# Altium PCB TSAV UPDATED UCM ISO.PcbDoc (part 1 of 2) (continued)
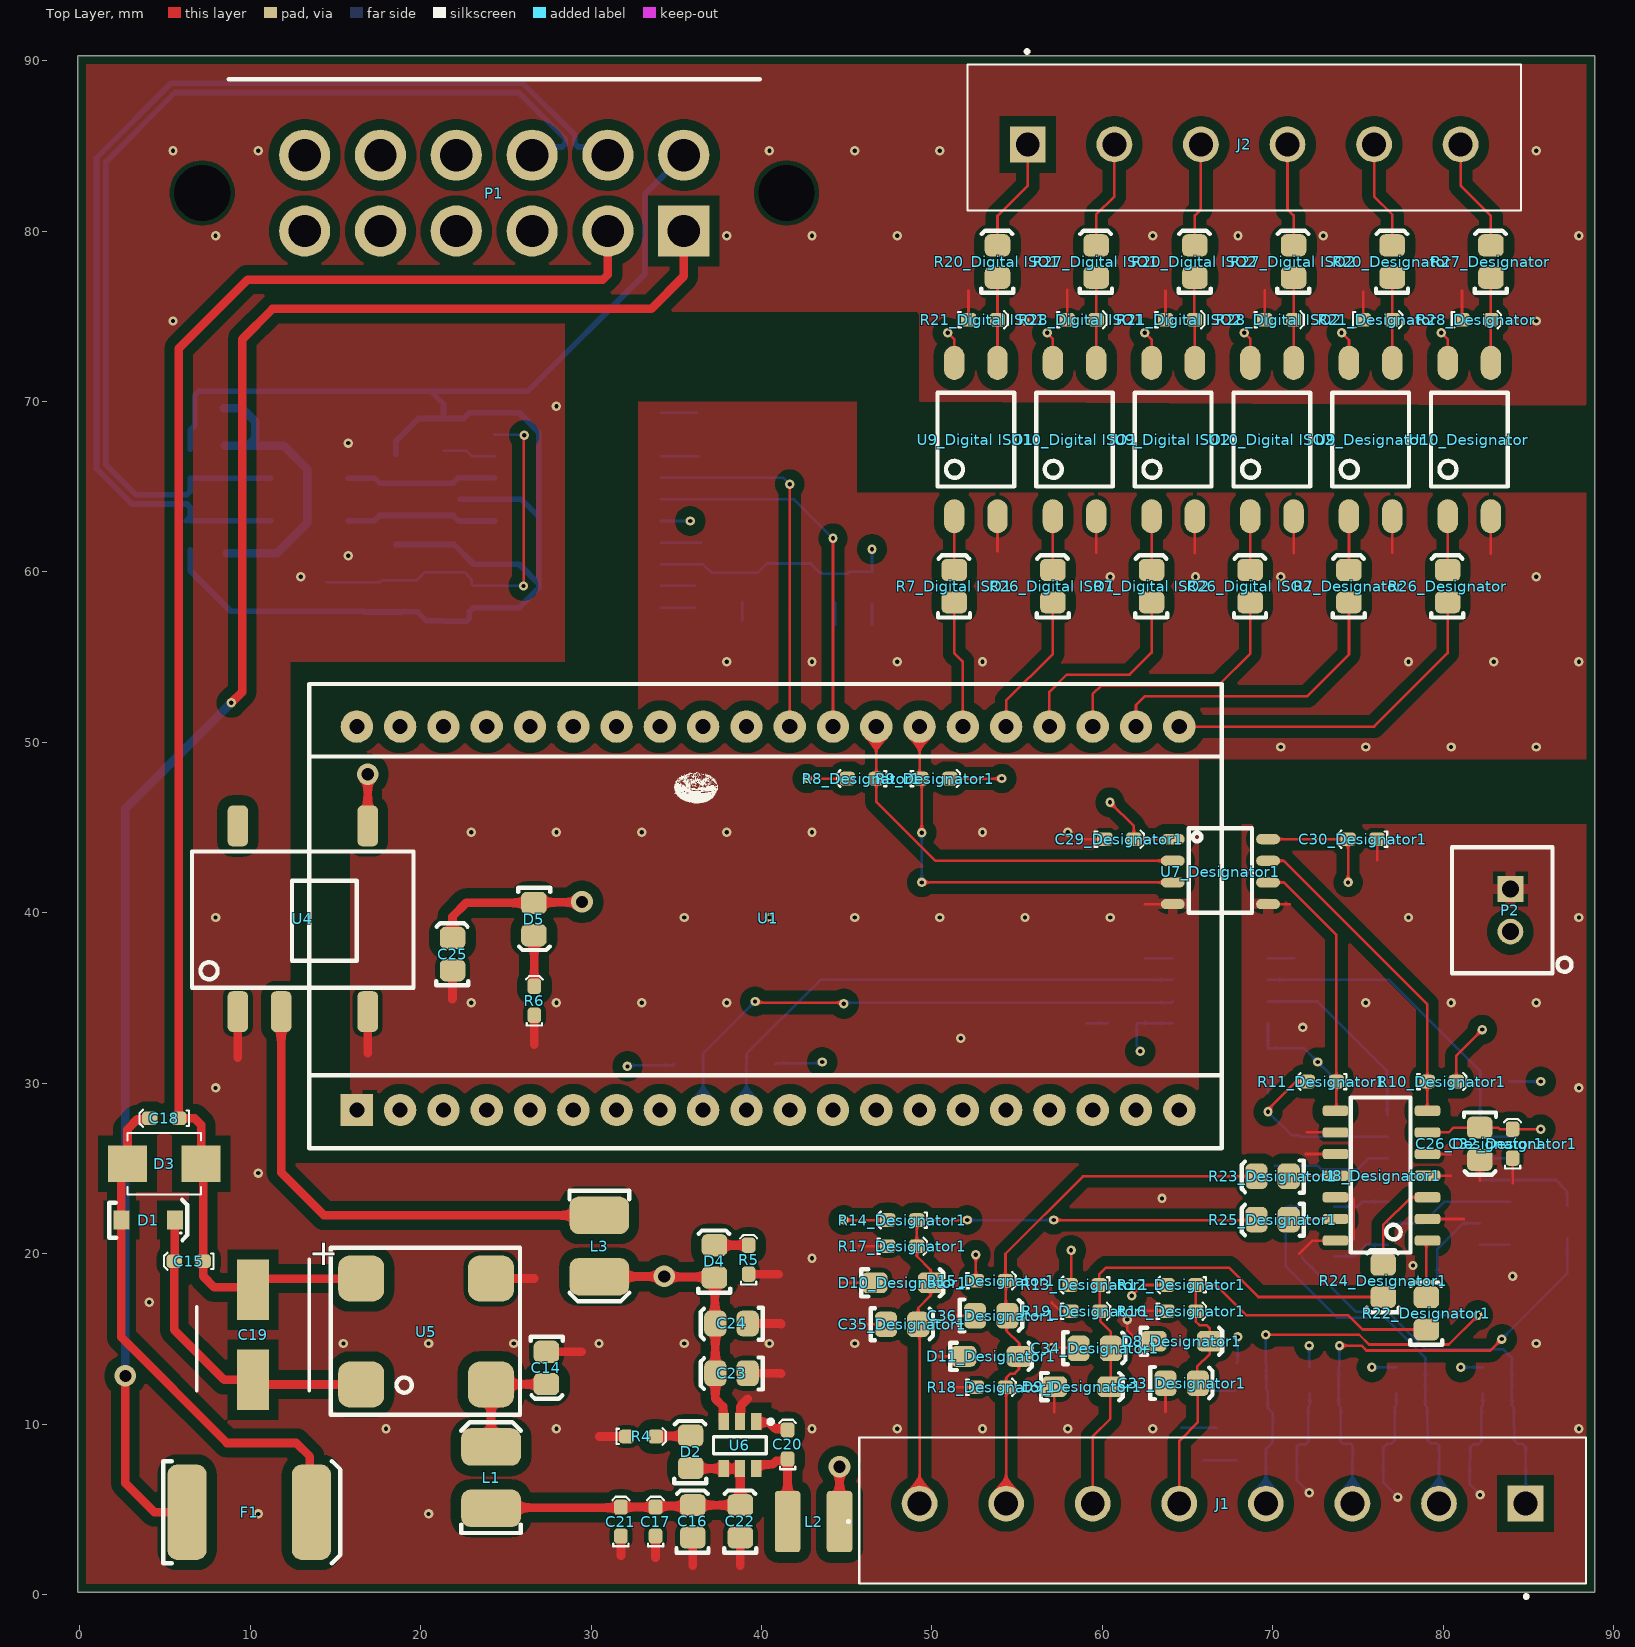
[diagram p0: Top Layer view]
## Classes and differential pairs
component class "Digital ISO2": "R7_Digital ISO2" "R20_Digital ISO2" "R21_Digital ISO2" "R26_Digital ISO2" "R27_Digital ISO2" "R28_Digital ISO2" "U9_Digital ISO2" "U10_Digital ISO2"
channel class "Digital ISO": Designator "Digital ISO1" "Digital ISO2"
channel class "ADC Chip And ISO": Designator1 Designator2
component class U_CAN: C1 C2 C3 C4 C5 C6 C7 C8 C9 C10 C11 C12 C13 D6 R1 R2 R3 U2 U3
component class "toplayer UCM updated": J1 J2 P1 P2 U1
component class "Power supply": C14 C15 C16 C17 C18 C19 C20 C21 C22 C23 C24 C25 D1 D2 D3 D4 D5 F1 L1 L2 L3 R4 R5 R6 U4 U5 U6
component class "Digital ISO1": "R7_Digital ISO1" "R20_Digital ISO1" "R21_Digital ISO1" "R26_Digital ISO1" "R27_Digital ISO1" "R28_Digital ISO1" "U9_Digital ISO1" "U10_Digital ISO1"
component class Designator: R7_Designator R20_Designator R21_Designator R26_Designator R27_Designator R28_Designator U9_Designator U10_Designator
component class Designator2: C26_Designator2 C29_Designator2 C30_Designator2 C32_Designator2 C33_Designator2 C34_Designator2 C35_Designator2 C36_Designator2 D8_Designator2 D9_Designator2 D10_Designator2 D11_Designator2 R8_Designator2 R9_Designator2 R10_Designator2 R11_Designator2 R12_Designator2 R13_Designator2 R14_Designator2 R15_Designator2 R16_Designator2 R17_Designator2 R18_Designator2 R19_Designator2 R22_Designator2 R23_Designator2 R24_Designator2 R25_Designator2 U7_Designator2 U8_Designator2
component class Designator1: C26_Designator1 C29_Designator1 C30_Designator1 C32_Designator1 C33_Designator1 C34_Designator1 C35_Designator1 C36_Designator1 D8_Designator1 D9_Designator1 D10_Designator1 D11_Designator1 R8_Designator1 R9_Designator1 R10_Designator1 R11_Designator1 R12_Designator1 R13_Designator1 R14_Designator1 R15_Designator1 R16_Designator1 R17_Designator1 R18_Designator1 R19_Designator1 R22_Designator1 R23_Designator1 R24_Designator1 R25_Designator1 U7_Designator1 U8_Designator1
differential pair CAN: +CAN_P -CAN_N

## Components (designator, comment, footprint, x,y, rotation, side; value= is the part's Value field where it differs from the comment)
C1 "100nF" 0603 14.478,57.697 r90 bottom
C2 "10nF" CAPC3216X95N 41.656,59.055 r90 bottom
C3 "10uF" 0805 46.503,59.079 r90 bottom
C4 "100nF" 0603 44.323,58.205 r90 bottom
C5 "10nF" CAPC3216X95N 21.463,58.547 r90 bottom
C6 "10uF" 0805 18.796,58.571 r90 bottom
C7 "100nF" 0603 16.637,57.697 r90 bottom
C8 "100nF" 0603 38.862,58.244 r90 bottom
C9 "100pF" 0603 6.477,67.212 r270 bottom
C10 "100pF" 0603 6.477,61.312 r90 bottom
C11 "100pF" 0603 18.542,66.912 r270 bottom
C12 "100pF" 0603 18.542,61.612 r90 bottom
C13 "22pF" 0603 6.731,69.596 r0 bottom
C14 "10uF" 0805 27.406,13.281 r270 top
C15 "100nF" 0603 7.239,19.558 r180 top
C16 "10uF" 0805 35.941,4.303 r90 top
C17 "100nF" 0603 33.782,3.429 r90 top
C18 "100nF" 0603 5.803,27.94 r180 top
C19 "47uF" "CHEMI-CON ELCO" 10.16,15.24 r270 top
C20 "100nF" 0603 41.529,7.952 r90 top
C21 "100nF" 0603 31.75,3.429 r90 top
C22 "2.2uF" 0805 38.735,4.303 r90 top value=22uF
C23 "10uF" 0805 38.227,12.954 r180 top
C24 "10uF" 0805 38.227,15.875 r180 top
C25 "10uF" 0805 21.844,37.592 r90 top
C26_Designator1 "10uF" 0805 82.169,26.431 r270 top (schematic designator C26)
C26_Designator2 "10uF" 0805 73.787,25.899 r270 bottom (schematic designator C26)
C29_Designator1 "100nF" 0603 60.149,44.323 r0 top (schematic designator C29)
C29_Designator2 "100nF" 0603 60.325,33.528 r0 bottom (schematic designator C29)
C30_Designator1 "100nF" 0603 76.122,44.323 r180 top (schematic designator C30)
C30_Designator2 "100nF" 0603 69.723,30.353 r90 bottom (schematic designator C30)
C32_Designator1 "100nF" 0603 84.074,25.605 r90 top (schematic designator C32)
C32_Designator2 "100nF" 0603 71.628,25.161 r90 bottom (schematic designator C32)
C33_Designator1 "10uF" 0805 64.667,12.418 r0 top (schematic designator C33)
C33_Designator2 "10uF" 0805 83.209,9.906 r0 bottom (schematic designator C33)
C34_Designator1 "10uF" 0805 59.563,14.462 r0 top (schematic designator C34)
C34_Designator2 "10uF" 0805 78.129,9.906 r0 bottom (schematic designator C34)
C35_Designator1 "10uF" 0805 48.26,15.875 r0 top (schematic designator C35)
C35_Designator2 "10uF" 0805 68.77,11.922 r0 bottom (schematic designator C35)
C36_Designator1 "10uF" 0805 53.491,16.383 r0 top (schematic designator C36)
C36_Designator2 "10uF" 0805 73.049,9.906 r0 bottom (schematic designator C36)
D1 "PMEG100T10ELR-QX" SODFL350X110-2N 4.013,21.971 r180 top
D2 "Red" "0805 LED" 35.814,8.382 r90 top
D3 "SM6T39CAY" SM6T39CAY-Footprint-1 4.953,25.273 r180 top
D4 "Red" "0805 LED" 37.211,19.558 r90 top
D5 "Red" "0805 LED" 26.67,39.624 r270 top
D6 "NUP2105LT1G" ONSC-SOT-23-3-318-08_V 21.336,64.262 r0 bottom
D8_Designator1 "MMSZ5231B-TP" "SOD-123 Diode" 64.643,14.859 r0 top (schematic designator D8)
D8_Designator2 "MMSZ5231B-TP" "SOD-123 Diode" 83.185,7.874 r0 bottom (schematic designator D8)
D9_Designator1 "MMSZ5231B-TP" "SOD-123 Diode" 58.801,12.192 r0 top (schematic designator D9)
D9_Designator2 "MMSZ5231B-TP" "SOD-123 Diode" 78.105,7.874 r0 bottom (schematic designator D9)
D10_Designator1 "MMSZ5231B-TP" "SOD-123 Diode" 48.26,18.288 r0 top (schematic designator D10)
D10_Designator2 "MMSZ5231B-TP" "SOD-123 Diode" 68.326,9.779 r0 bottom (schematic designator D10)
D11_Designator1 "MMSZ5231B-TP" "SOD-123 Diode" 53.467,13.97 r0 top (schematic designator D11)
D11_Designator2 "MMSZ5231B-TP" "SOD-123 Diode" 73.025,7.874 r0 bottom (schematic designator D11)
F1 "0ZCF0100AF2A" 2920 6.289,4.826 r0 top
J1 "1755794" PHOENIX_1755794 88.376,9.204 r180 top
J2 "1755778" PHOENIX_1755778 52.086,81.22 r0 top
L1 "12uH" 1812 24.13,6.858 r90 top
L2 "4.7uH" SRN3015TA-4R7M 43.053,4.279 r180 top
L3 "12uH" 1812 30.48,20.447 r270 top
P1 "DTF13-12P" DTF13-12P 24.324,84.46 r180 top
P2 "B2B-XH-A(LF)(SN)" "XH 2 PIN VERT" 83.82,40.152 r270 top
R1 "100k" 0805 21.336,68.048 r270 bottom
R2 "56R" 0805 8.483,66.45 r270 bottom
R3 "56R" 0805 8.636,62.074 r90 bottom
R4 "20K" 0603 32.082,9.271 r0 top
R5 "2K" 0603 39.243,18.796 r90 top
R6 "1k" 0603 26.67,33.987 r90 top
R7_Designator "100R" 0805 74.447,59.182 r90 top (schematic designator R7)
"R7_Digital ISO1" "100R" 0805 51.282,59.182 r90 top (schematic designator R7)
"R7_Digital ISO2" "100R" 0805 62.864,59.182 r90 top (schematic designator R7)
R8_Designator1 "10k" 0603 46.736,47.879 r180 top (schematic designator R8)
R8_Designator2 "10k" 0603 36.576,31.115 r180 bottom (schematic designator R8)
R9_Designator1 "10k" 0603 49.354,47.879 r0 top (schematic designator R9)
R9_Designator2 "10k" 0603 39.116,31.115 r0 bottom (schematic designator R9)
R10_Designator1 "10k" 0603 79.072,30.099 r0 top (schematic designator R10)
R10_Designator2 "10k" 0603 76.708,30.099 r180 bottom (schematic designator R10)
R11_Designator1 "10k" 0603 73.738,30.099 r180 top (schematic designator R11)
R11_Designator2 "10k" 0603 82.169,30.099 r0 bottom (schematic designator R11)
R12_Designator1 "10k" 0603 65.493,18.161 r180 top (schematic designator R12)
R12_Designator2 "10k" 0603 84.035,13.335 r180 bottom (schematic designator R12)
R13_Designator1 "10k" 0603 59.817,18.161 r180 top (schematic designator R13)
R13_Designator2 "10k" 0603 78.955,13.335 r180 bottom (schematic designator R13)
R14_Designator1 "10k" 0603 49.11,21.971 r180 top (schematic designator R14)
R14_Designator2 "10k" 0603 69.596,13.589 r180 bottom (schematic designator R14)
R15_Designator1 "10k" 0603 52.617,18.415 r0 top (schematic designator R15)
R15_Designator2 "10k" 0603 72.175,13.335 r0 bottom (schematic designator R15)
R16_Designator1 "10k" 0603 63.793,16.621 r0 top (schematic designator R16)
R16_Designator2 "10k" 0603 82.335,11.811 r0 bottom (schematic designator R16)
R17_Designator1 "10k" 0603 47.41,20.431 r0 top (schematic designator R17)
R17_Designator2 "10k" 0603 67.896,7.874 r0 bottom (schematic designator R17)
R18_Designator1 "10k" 0603 52.617,12.158 r0 top (schematic designator R18)
R18_Designator2 "10k" 0603 72.175,11.811 r0 bottom (schematic designator R18)
R19_Designator1 "10K" 0603 58.166,16.621 r0 top value=10k (schematic designator R19)
R19_Designator2 "10K" 0603 77.255,11.811 r0 bottom value=10k (schematic designator R19)
R20_Designator "100R" 0805 76.987,78.232 r90 top (schematic designator R20)
"R20_Digital ISO1" "100R" 0805 53.822,78.232 r90 top (schematic designator R20)
"R20_Digital ISO2" "100R" 0805 65.404,78.232 r90 top (schematic designator R20)
R21_Designator "10k" 0603 75.313,74.803 r0 top (schematic designator R21)
"R21_Digital ISO1" "10k" 0603 52.148,74.803 r0 top (schematic designator R21)
"R21_Digital ISO2" "10k" 0603 63.705,74.803 r0 top (schematic designator R21)
R22_Designator1 "100R" 0805 78.994,16.51 r90 top (schematic designator R22)
R22_Designator2 "100R" 0805 72.685,19.812 r0 bottom (schematic designator R22)
R23_Designator1 "100R" 0805 69.977,24.511 r180 top (schematic designator R23)
R23_Designator2 "100R" 0805 87.249,21.844 r270 bottom (schematic designator R23)
R24_Designator1 "100R" 0805 76.454,18.415 r90 top (schematic designator R24)
R24_Designator2 "100R" 0805 72.685,22.733 r0 bottom (schematic designator R24)
R25_Designator1 "100R" 0805 69.977,21.971 r180 top (schematic designator R25)
R25_Designator2 "100R" 0805 79.629,17.399 r270 bottom (schematic designator R25)
R26_Designator "100R" 0805 80.238,59.182 r90 top (schematic designator R26)
"R26_Digital ISO1" "100R" 0805 57.073,59.182 r90 top (schematic designator R26)
"R26_Digital ISO2" "100R" 0805 68.655,59.182 r90 top (schematic designator R26)
R27_Designator "100R" 0805 82.778,78.232 r90 top (schematic designator R27)
"R27_Digital ISO1" "100R" 0805 59.613,78.232 r90 top (schematic designator R27)
"R27_Digital ISO2" "100R" 0805 71.195,78.232 r90 top (schematic designator R27)
R28_Designator "10k" 0603 81.104,74.803 r0 top (schematic designator R28)
"R28_Digital ISO1" "10k" 0603 57.939,74.803 r0 top (schematic designator R28)
"R28_Digital ISO2" "10k" 0603 69.522,74.803 r0 top (schematic designator R28)
U1 "LPC1768" LPC1768 16.256,28.427 r90 top
U2 "ADM3053" "AD SOIC-W 20" 29.21,63.627 r270 bottom
U3 "B82787C0104H002" "TDK 4-PC Pad" 11.198,63.012 r0 bottom value="100µH @ 100kHz"
U4 "R2S-0505/HP" "RECOM 8-SMD (5 Pin)" 13.081,39.6 r0 top
U5 "744272121" "Wurth 4-PC Pad" 24.13,18.539 r180 top value="120uH @ 100kHz"
U6 "LMR50410Y5FQDBVRQ1" TI-SOT23-6 38.735,8.763 r270 top
U7_Designator1 "ISO1540DR" "TI 8-SOIC" 73.812,41.783 r0 top (schematic designator U7)
U7_Designator2 "ISO1540DR" "TI 8-SOIC" 73.812,36.068 r0 bottom (schematic designator U7)
U8_Designator1 "MCP3428-E/SL" "MC 14-SOIC" 76.581,24.765 r90 top (schematic designator U8)
U8_Designator2 "MCP3428-E/SL" "MC 14-SOIC" 79.248,24.511 r90 bottom (schematic designator U8)
U9_Designator "LTV-817S-TA1" "ON 4-SMD" 75.743,68.021 r90 top (schematic designator U9)
"U9_Digital ISO1" "LTV-817S-TA1" "ON 4-SMD" 52.578,68.021 r90 top (schematic designator U9)
"U9_Digital ISO2" "LTV-817S-TA1" "ON 4-SMD" 64.16,68.021 r90 top (schematic designator U9)
U10_Designator "LTV-817S-TA1" "ON 4-SMD" 81.534,68.021 r90 top (schematic designator U10)
"U10_Digital ISO1" "LTV-817S-TA1" "ON 4-SMD" 58.369,68.021 r90 top (schematic designator U10)
"U10_Digital ISO2" "LTV-817S-TA1" "ON 4-SMD" 69.952,68.021 r90 top (schematic designator U10)

## Footprints (in the part's own frame and the unit in brackets; to place one, negate y for a bottom-side part, rotate by r counter-clockwise, add the part's x,y. Pads: shape width x height; smd on the part's side, far side on the other; paste and mask are expansions set on the pad)
0603 [mm]
  rrect50% 0.9x0.8 smd: 1(0,0) 2(1.7,0)
  silkscreen extent -0.6,-0.5 2.3,0.5, body extent 0.05,-0.42 1.65,0.43, height 0.6
0805 [mm]
  rrect50% 1.3x1.5 smd: 1(-0.962,-0.026) 2(0.938,-0.026)
  silkscreen extent -1.85,-0.95 1.8,0.93, body extent -1,-0.65 1,0.66, height 0.73
"0805 LED" [mm]
  rrect50% 1.3x1.5 smd: A(-0.962,-0.026) K(0.938,-0.026)
  silkscreen extent -1.85,-0.95 1.8,0.93, body extent -1.09,-0.63 0.91,0.62, height 1
1812 [mm]
  rrect50% 2.2x3.5 smd: 1(-1.8,0) 2(1.8,0)
  silkscreen extent -3.25,-1.75 3.25,1.75, body extent -2.25,-1.6 2.25,1.6, height 2.5
2920 [mm]
  rrect50% 2.3x5.6 smd: 1(0,0) 2(7.3,0)
  silkscreen extent -1.4,-3 9,3, body extent -0.34,-2.81 7.64,2.81, height 1.14
"AD SOIC-W 20" [mil]
  rrect50% 28x85 smd: 1(-225,-192.02)
  oval 28x85 smd: 2(-175,-192.02) 3(-125,-192.02) 4(-75,-192.02) 5(-25,-192.02) 6(25,-192.02) 7(75,-192.02) 8(125,-192.02) 9(175,-192.02) 10(225,-192.02) 11(225,192.02) 12(175,191.98) 13(125,191.98) 14(75,191.98) 15(25,191.98) 16(-25,191.98) 17(-75,191.98) 18(-125,191.98) 19(-175,191.98) 20(-225,191.98)
  silkscreen extent -257,-138 256,138, body extent -260,-210 260,210, height 105
CAPC3216X95N [mm]
  rect 1.18x1.77 smd: 1(-1.445,0) 2(1.445,0)
  silkscreen extent -0.53,-0.88 0.53,0.88, body extent -1.6,-0.8 1.6,0.8, height 0.95
"CHEMI-CON ELCO" [mm]
  rect 3.55x1.85 smd: 1(-2.65,0) 2(2.65,0)
  silkscreen extent -4.43,-3.3 3.3,3.3, body extent -3.7,-3.4 3.7,3.4, height 6.1
DTF13-12P [mm]
  round 3 hole 3.3 unplated: 0(-17.145,2.22) 0(17.145,2.22)
  rect 3x3 hole 1.9: 1(-11.114,4.45)
  round 3 hole 1.9: 2(-6.664,4.45) 3(-2.214,4.45) 4(2.236,4.45) 5(6.686,4.45) 6(11.136,4.45) 7(11.136,0) 8(6.686,0) 9(2.236,0) 10(-2.214,0) 11(-6.664,0) 12(-11.114,0)
  silkscreen extent -15.56,-4.45 15.59,-4.45, body extent -20.79,-27.74 20.79,6.55, height 23.13
LPC1768 [mm]
  rect 1.9x1.9 hole 0.889: 1(0,0)
  round 1.9 hole 0.889: 2(0,-2.54) 3(0,-5.08) 4(0,-7.62) 5(0,-10.16) 6(0,-12.7) 7(0,-15.24) 8(0,-17.78) 9(0,-20.32) 10(0,-22.86) 11(0,-25.4) 12(0,-27.94) 13(0,-30.48) 14(0,-33.02) 15(0,-35.56) 16(0,-38.1) 17(0,-40.64) 18(0,-43.18) 19(0,-45.72) 20(0,-48.26) 21(22.5,-48.26) 22(22.5,-45.72) 23(22.5,-43.18) 24(22.5,-40.64) 25(22.5,-38.1) 26(22.5,-35.56) 27(22.5,-33.02) 28(22.5,-30.48) 29(22.5,-27.94) 30(22.5,-25.4) 31(22.5,-22.86) 32(22.5,-20.32) 33(22.5,-17.78) 34(22.5,-15.24) 35(22.5,-12.7) 36(22.5,-10.16) 37(22.5,-7.62) 38(22.5,-5.08) 39(22.5,-2.54) 40(22.5,0)
  silkscreen extent -2.25,-50.75 25,3.81, body extent -2.25,-50.75 25,5.28, height 16.84
"MC 14-SOIC" [mm]
  rrect50% 0.6x1.5 smd: 1(-4,-2.5) 2(-2.73,-2.5) 3(-1.46,-2.5) 4(-0.19,-2.5) 5(1.08,-2.5) 6(2.35,-2.5) 7(3.62,-2.5) 8(3.62,2.9) 9(2.35,2.9) 10(1.08,2.9) 11(-0.19,2.9) 12(-1.46,2.9) 13(-2.73,2.9) 14(-4,2.9)
  silkscreen extent -4.7,-1.5 4.4,2, body extent -4.52,-2.8 4.14,3.2, height 1.76
"ON 4-SMD" [mm] "SOP, 4-Leads, Body 3.85x4.4mm, Pitch 2.54mm, IPC Medium Density"
  oval 2x1.2 smd: 1(-4.75,1.27) 2(-4.75,-1.27) 3(4.25,-1.27) 4(4.25,1.27)
  silkscreen extent -3,-2.25 2.5,2.25, body extent -5.33,-2.3 4.83,2.3, height 4.6
ONSC-SOT-23-3-318-08_V [mm] "SOT23, 3-Leads, Body 2.92x1.3mm, Pitch 0.95mm"
  rect 0.9x0.8 smd: 1(-1,0.95) 2(-1,-0.95) 3(1,0)
  silkscreen extent -1.12,-1.46 0.65,2.02, body extent -0.65,-1.46 0.65,1.46, height 1.11
PHOENIX_1755778 [mm]
  rect 2.1x2.1 / inner round 2.1 / far side rect 2.1x2.1 hole 1.4: 1(3.54,3.87)
  round 2.1 hole 1.4: 2(8.62,3.87) 3(13.7,3.87) 4(18.78,3.87) 5(23.86,3.87) 6(28.94,3.87)
  silkscreen extent 0,0 32.48,9.42, body extent 0,0 32.48,8.57, height 12.15
PHOENIX_1755794 [mm]
  rect 2.1x2.1 / inner round 2.1 / far side rect 2.1x2.1 hole 1.4: 1(3.54,3.87)
  round 2.1 hole 1.4: 2(8.62,3.87) 3(13.7,3.87) 4(18.78,3.87) 5(23.86,3.87) 6(28.94,3.87) 7(34.02,3.87) 8(39.1,3.87)
  silkscreen extent 0,0 42.64,9.42, body extent 0,0.03 42.64,8.6, height 12.15
"RECOM 8-SMD (5 Pin)" [mm]
  rrect50% 1.2x2.4 smd: 1(-3.81,-5.4) 2(-1.27,-5.4) 4(3.81,-5.4) 5(3.81,5.5) 8(-3.81,5.5)
  silkscreen extent -6.5,-4 6.5,4, body extent -6.38,-5.55 6.38,5.55, height 9.2
SM6T39CAY-Footprint-1 [mm]
  rect 2.28x2.12 smd: A(2.165,0) K(-2.165,0)
  silkscreen extent -2.16,-1.81 2.16,1.81, body extent -2.79,-1.98 2.79,1.98, height 2.64
"SOD-123 Diode" [mil]
  rrect50% 59.06x48 smd: A(-63.5,0) K(65.5,0)
  silkscreen extent -94,-31 94,31, body extent -73,-33 75,33, height 47
SODFL350X110-2N [mm] "SODFL, 2-Leads, Body 1.70x3.50mm, IPC Medium Density"
  rect 0.95x1.1 smd: A(1.575,0) K(-1.575,0)
  silkscreen extent -2.29,-1.19 2.28,1.18, body extent -1.75,-0.95 1.75,0.95, height 1.1
SRN3015TA-4R7M [mm]
  rrect25% 1.5x3.6 smd: 1(-1.525,0) 2(1.525,0)
  silkscreen extent -2.1,-0.05 -2,0.05, body extent -1.46,-1.47 1.61,1.47, height 1.4
"TDK 4-PC Pad" [mm]
  rrect50% 1.35x0.9 smd: 1(0,-2.5) 2(0,0) 3(4.55,0) 4(4.55,-2.5)
  silkscreen extent -1,-3.2 5.5,0.7, body extent -0.02,-2.82 4.48,0.38, height 2.8
"TI 8-SOIC" [mm]
  oval 1.4x0.6 smd: 1(-9.677,2.54) 2(-9.677,1.27) 3(-9.677,0) 4(-9.677,-1.27) 5(-4.089,-1.27) 6(-4.089,0) 7(-4.089,1.27) 8(-4.089,2.54)
  silkscreen extent -8.74,-1.78 -5.03,3.17, body extent -9.96,-1.87 -3.76,3.14, height 1.76
TI-SOT23-6 [mm]
  rect 1x0.6 smd: 1(-1.375,0.95) 2(-1.375,0) 3(-1.375,-0.95) 4(1.375,-0.95) 5(1.375,0) 6(1.375,0.95)
  silkscreen extent -1.5,-1.55 0.5,1.93, body extent -1.5,-1.53 1.5,1.53, height 1.45
"Wurth 4-PC Pad" [mm]
  rrect50% 2.7x2.7 smd: 1(7.62,6.22) 2(0,6.22) 3(0,0) 4(7.62,0)
  silkscreen extent -1.7,-1.8 9.4,8, body extent -1.19,-1.24 8.81,7.46, height 6.2
"XH 2 PIN VERT" [mm]
  round 1.508 hole 1: 1(1.25,0.127)
  rect 1.508x1.508 hole 1: 2(-1.25,0.127)
  silkscreen extent -3.7,-3.3 3.7,3.71, body extent -3.61,-3.24 3.61,2.6, height 7.21

## Part data
C1 C4 C7 C8 C15 C17 C18 C20 C21 C29_Designator1 C29_Designator2 C30_Designator1 C30_Designator2 C32_Designator1 C32_Designator2: library part GCM188L81H104KA57D, Digikey Part Number=490-6049-1-ND, Manufacturer=muRata, Rated Voltage=50V, Temperature Rating=X8L, Tolerance=±10%, Material=MLCC, Part Number=GCM188L81H104KA57D
C2 C5: library part GCM3195C2A103JA16D, "1206 0.01 uF 100 V Â±5% Tolerance C0G SMT Multilayer Ceramic Capacitor", Package="3216 Murata", Availability="In Stock", Check_prices=https://www.snapeda.com/parts/GCM3195C2A103JA16D/Murata%20Electronics%20North%20America/view-part/1773285/?ref=eda, MF="Murata Electronics", MP=GCM3195C2A103JA16D, Price=None, SnapEDA_Link=https://www.snapeda.com/parts/GCM3195C2A103JA16D/Murata%20Electronics%20North%20America/view-part/1773285/?ref=snap
C3 C6 C14 C16 C23 C24 C25 C26_Designator1 C26_Designator2 C33_Designator1 C33_Designator2 C34_Designator1 C34_Designator2 C35_Designator1 C35_Designator2 C36_Designator1 C36_Designator2: library part GRM21BR6YA106KE43L, Digikey Part Number=490-10514-6-ND, Manufacturer=muRata, Rated Voltage=50V, Temperature Rating=X5R, Tolerance=10%, Material=MLCC, Part Number=GRM21BR6YA106KE43L
C9 C10 C11 C12: library part GRM1885C1H101JA01D, Digikey Part Number=490-1427-1-ND, Manufacturer="Murata Electronics", Rated Voltage=50V, Temperature Rating="C0G, NP0", Tolerance=±5%, Material=MLCC, Part Number=GRM1885C1H101JA01D
C13: library part GRM0335C1H220JA01D, Digikey Part Number=490-6123-1-ND, Manufacturer="Murata Electronics", Rated Voltage=50V, Temperature Rating="C0G, NP0", Tolerance=±5%, Material=MLCC, Part Number=GRM0335C1H220JA01D
C19: library part HHXA350ARA470MF61G, Part Number=HHXA350ARA470MF61G
C22: library part GRM21BR61A226ME51L, Digikey Part Number=490-10511-1-ND, Manufacturer=muRata, Rated Voltage=50V, Temperature Rating=X5R, Tolerance=20%, Material=MLCC, Part Number=GRM21BR61A226ME51L
D1: library part CMP-004-00005-4, "Diode 100 V 1A Surface Mount SOD-123W"
D2 D4 D5: library part SML-210LTT86, "Red LED Indication - Discrete 1.75V 0805 (2012 Metric)", Digikey Part Number=511-1286-1-ND, Manufacturer="ROHM Semiconductor", Colour=Red, Part Number=SML-210LTT86
D3: library part CMP-004-00003-4, "TVS Diode Single Bi-Dir 33.3V 600W Automotive 2-Pin SMB T/R / TVS DIODE 33.3VWM 69.7VC SMB", Breakdown Voltage=39V, Case/Package=DO-214AA, Clamping Voltage=53.9V, Leakage Current=200nA, Max Breakdown Voltage=41V, Max Operating Temperature=150°C, Max Power Dissipation=600W, Max Surge Current=11.1A, Min Breakdown Voltage=37.1V, Min Operating Temperature=-55°C, Operating Supply Voltage=30V, Package Quantity=1, Peak Pulse Current=57A, Power Line Protection=No, Resistor Type=Zener, Reverse Standoff Voltage=33.3V, Test Current=1mA, Diode Type=ZENER, Direction=Bidirectional, Element Configuration=Single, Height=2.45mm, Length=4.6mm, Max Reverse Leakage Current=200nA, Mount="Surface Mount", Number of Bidirectional Channels=1, Number of Channels=1, Number of Elements=1, Number of Pins=2, Packaging="Tape and Reel", Peak Pulse Power=600W, Polarity=Bidirectional, Radiation Hardening=No, REACH SVHC="No SVHC", Reverse Breakdown Voltage=37.1V, RoHS Compliant=Yes, Series="Automotive, AEC-Q101, SM6TY, TRANSIL™", Termination=SMD/SMT, Width=3.95mm
D6: library part CMP-1063-00164-1, "Dual Line CAN Bus Protector, 3-Pin SOT-23, Pb-Free, Tape and Reel", Manufacturer="On Semiconductor", C Max (pF)=30, ComponentLink1Description="Manufacturer URL", ComponentLink1URL=http://www.onsemi.com/, ComponentLink2Description=Datasheet, ComponentLink2URL=http://www.onsemi.cn/pub_link/Collateral/NUP2105L-D.PDF, ComponentLink3Description="Package Specification", ComponentLink3URL=http://www.onsemi.cn/pub_link/Collateral/318-08.PDF, DatasheetVersion="Rev. 5", Direction=Bidirectional, IR Max (uA)=0.1, Mounting Technology="Surface Mount", Number of Lines=2, PackageDescription="3-Pin Small Outline Transistor, Body 2.92 x 1.3 mm, Pitch 0.95 mm", PackageReference=SOT-23-3-318-08, PackageVersion="Rev. AP, 11/2009", Packing="Tape and Reel", PartNumber=NUP2105LT1G, PPK Max (W)=350, RoHS=Pb-Free, V(BR) Min (V)=26.2
D8_Designator1 D8_Designator2 D9_Designator1 D9_Designator2 D10_Designator1 D10_Designator2 D11_Designator1 D11_Designator2: "Zener Diode 5.1V 500mW ±5% Surface Mount SOD-123", Digikey Part Number=MMSZ5231B-TPMSCT-ND, Manufacturer="On Semiconductor", Digikey Link=https://www.digikey.com/product-detail/en/micro-commercial-co/MMSZ5231B-TP/MMSZ5231B-TPMSCT-ND/1793361, Part Number=MMSZ5231B-TP
F1: "PTC RESET FUSE 60V 1A 292", Digikey Part Number=507-2070-1-ND, Manufacturer="Littelfuse Inc.", Digikey Link=https://www.digikey.com/product-detail/en/bel-fuse-inc/0ZCF0100AF2A/507-2070-1-ND/6210547, Part Number=0ZCF0100AF2A
J1: "Pluggable Header 5.08mm 12AWG 320V 12A 8 Position COMBICON MSTBVA Series", Package=None, Check_prices=https://www.snapeda.com/parts/1755794/Phoenix+Contact/view-part/?ref=eda, MF="Phoenix Contact", MP=1755794, SnapEDA_Link=https://www.snapeda.com/parts/1755794/Phoenix+Contact/view-part/?ref=snap
J2: "Pluggable Header 5.08mm 12AWG 320V 12A 6 Position COMBICON MSTBVA Series", Package=None, Check_prices=https://www.snapeda.com/parts/1755778/Phoenix+Contact/view-part/?ref=eda, MF="Phoenix Contact", MP=1755778, SnapEDA_Link=https://www.snapeda.com/parts/1755778/Phoenix+Contact/view-part/?ref=snap
L1 L3: library part RLS-126, Digikey Part Number=945-3429-ND, Manufacturer=Recom, Rated Current="0.8 A", Tolerance=0.2, Impedance=230mOhm, Material=Wirewound, Part Number=RLS-126
L2: library part SRN4018-4R7M, Digikey Part Number=SRN3015TA-4R7MCT-ND, Manufacturer=Bourns, Rated Current=1.9A, Tolerance=0.2, Impedance=84mOhms, Material=Wirewound, Part Number=SRN4018-4R7M
P1: Digikey Part Number=1734-1861-ND, Angle=90, Contact="Copper Alloy", Digikey Link=https://www.digikey.com/products/en?keywords=dtf13-12pa, Flange=No, Part Number=DTF13-12P, Pitch=4.45mm, Positions=12, Row Spacing=4.45mm
P2: Digikey Part Number=455-2247-ND, Angle=0, Contact=Tin, Digikey Link=https://www.digikey.com.au/en/products/detail/jst-sales-america-inc/B2B-XH-A-LF-SN/1651045, Flange=No, Part Number=B2B-XH-A(LF)(SN), Pitch=2.54mm, Positions=2, Row Spacing=2.54mm
R1: library part RC0805FR07100KL, Digikey Part Number=311-100KCRCT-ND, Manufacturer=YAGEO, Rated Power=0.125W, Tolerance=0.01, Material=FR-07, Part Number=RC0805FR07100KL
R2 R3: library part RC0805FR0756RL, Digikey Part Number=311-56.0CRCT-ND, Manufacturer=YAGEO, Rated Power=0.125W, Tolerance=0.01, Material=FR-07, Part Number=RC0805FR0756RL
R4: library part RC0603FR-0720KL, Digikey Part Number=311-20.0KHRCT-ND, Manufacturer=YAGEO, Rated Power=0.1W, Tolerance=0.01, Material=FR-07, Part Number=RC0603FR-0720KL
R5: library part RC0603FR-072KL, Digikey Part Number=311-2.00KHRCT-ND, Manufacturer=YAGEO, Rated Power=0.1W, Tolerance=0.01, Material=FR-07, Part Number=RC0603FR-072KL
R6: library part RC0603FR-071KL, Digikey Part Number=311-1.00KHRCT-ND, Manufacturer=YAGEO, Rated Power=0.1W, Tolerance=0.01, Material=FR-07, Part Number=RC0603FR-071KL
R7_Designator "R7_Digital ISO1" "R7_Digital ISO2" R20_Designator "R20_Digital ISO1" "R20_Digital ISO2" R22_Designator1 R22_Designator2 R23_Designator1 R23_Designator2 R24_Designator1 R24_Designator2 R25_Designator1 R25_Designator2 R26_Designator "R26_Digital ISO1" "R26_Digital ISO2" R27_Designator "R27_Digital ISO1" "R27_Digital ISO2": library part RC0805FR07100RL, Digikey Part Number=311-100CRCT-ND, Manufacturer=YAGEO, Rated Power=0.125W, Tolerance=0.01, Material=FR-07, Part Number=RC0805FR07100RL
R8_Designator1 R8_Designator2 R9_Designator1 R9_Designator2 R10_Designator1 R10_Designator2 R11_Designator1 R11_Designator2 R12_Designator1 R12_Designator2 R13_Designator1 R13_Designator2 R14_Designator1 R14_Designator2 R15_Designator1 R15_Designator2 R16_Designator1 R16_Designator2 R17_Designator1 R17_Designator2 R18_Designator1 R18_Designator2 R19_Designator1 R19_Designator2 R21_Designator "R21_Digital ISO1" "R21_Digital ISO2" R28_Designator "R28_Digital ISO1" "R28_Digital ISO2": library part RC0603FR-0710KL, Digikey Part Number=311-10.0KHRCT-ND, Manufacturer=YAGEO, Rated Power=0.1W, Tolerance=0.01, Material=FR-07, Part Number=RC0603FR-0710KL
U1: "Mbed Development Board LPC1768", Manufacturer=MBED, Complex IC=1, Part Number=LPC1768
U2: "Isolated CAN Transceiver", Digikey Part Number=ADM3053BRWZ-ND, Manufacturer="Analogue Devices", Complex IC=1, Digikey Link=https://www.digikey.com/product-detail/en/analog-devices-inc/ADM3053BRWZ/ADM3053BRWZ-ND/2709332, Part Number=ADM3053
U3: Digikey Part Number=495-4598-1-ND, Manufacturer="EPCOS (TDK)", Rated Current=150mA, Impedance="5.8 kOhms @ 10MHz", Material=Wirewound, Part Number=B82787C0104H002
U4: "Isolated Module DC DC Converter 1 Output 3.3V 606mA 4.5V - 5.5V Input", Digikey Part Number=945-1764-5-ND, Input Voltage=4.5V-5.5V, Manufacturer=Recom, Output Power=2W, Output Voltage=5V, Digikey Link=https://www.digikey.com/product-detail/en/recom-power/R2S-0505-HP/945-1764-5-ND/2302761, Efficiency=0.85, Isolation=Isolated, Part Number=R2S-0505/HP
U5: Digikey Part Number=732-1489-1-ND, Manufacturer="Wurth Electronics Inc", Rated Current="2.5 A", Impedance="460 Ohms @ 30MHz", Material=Wirewound, Part Number=744272121
U6: library part LMR50410-Q1, "IC REG BUCK 5V 1A SOT23-6", Digikey Part Number=296-LMR50410Y5FQDBVRQ1CT-ND, Input Voltage=4-36V, Manufacturer="Texas Instruments", Output Current=1A, Output Voltage=5V, Part Number=LMR50410-Q1
U7_Designator1 U7_Designator2: "I2C Digital Isolator (Multichannel)", Digikey Part Number=296-34871-1-ND, Manufacturer="Texas Instruments", Digikey Link=https://www.digikey.com/product-detail/en/texas-instruments/ISO1540DR/296-34871-1-ND/3587214, Part Number=ISO1540DR
U8_Designator1 U8_Designator2: "4 Channel I2C ADC, 16 bit", Digikey Part Number=MCP3428-E/SL-ND, Manufacturer="Microchip Technology", Digikey Link=https://www.digikey.com/product-detail/en/microchip-technology/MCP3428-E-SL/MCP3428-E-SL-ND/2179226, Part Number=MCP3428-E/SL
U9_Designator "U9_Digital ISO1" "U9_Digital ISO2" U10_Designator "U10_Digital ISO1" "U10_Digital ISO2": "35V 50ma Optocoupler (VF=1.2V)", Digikey Part Number=160-1893-2-ND, Manufacturer="Lite-On Inc", Digikey Link=https://www.digikey.com/product-detail/en/lite-on-inc/LTV-817S-TA1/160-1893-2-ND/388451, Part Number=LTV-817S-TA1

## Via types
v1: diameter 0.55, hole 0.25, Top Layer to Bottom Layer, 135 vias
v2: diameter 1.27, hole 0.711, Top Layer to Bottom Layer, 5 vias